# KiCad board Slab.kicad_pcb (continued)
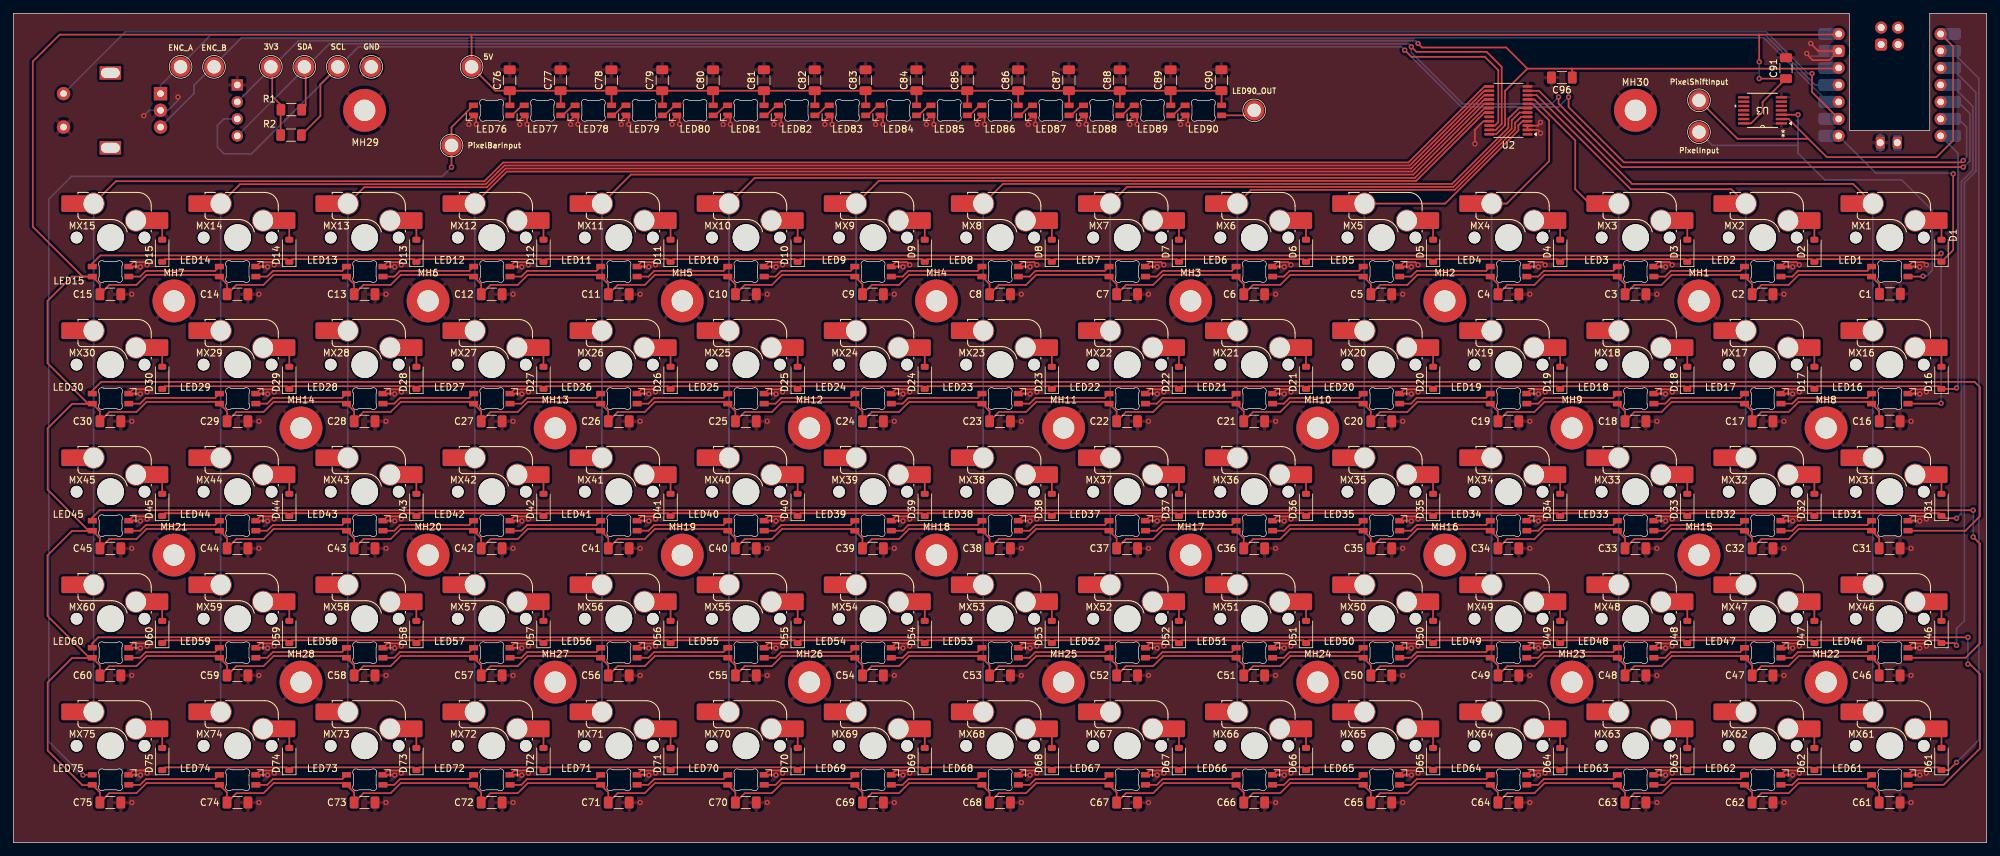
[diagram p0: board, top side]
## Placement (name value [footprint] x y rotation side) (continued)
MX62  MX_SW_HS  [SW_MX_HS_CPG151101S11_1u_Custom]  252 24 0 top
MX63  MX_SW_HS  [SW_MX_HS_CPG151101S11_1u_Custom]  233 24 0 top
MX64  MX_SW_HS  [SW_MX_HS_CPG151101S11_1u_Custom]  214 24 0 top
MX65  MX_SW_HS  [SW_MX_HS_CPG151101S11_1u_Custom]  195 24 0 top
MX66  MX_SW_HS  [SW_MX_HS_CPG151101S11_1u_Custom]  176 24 0 top
MX67  MX_SW_HS  [SW_MX_HS_CPG151101S11_1u_Custom]  157 24 0 top
MX68  MX_SW_HS  [SW_MX_HS_CPG151101S11_1u_Custom]  138 24 0 top
MX69  MX_SW_HS  [SW_MX_HS_CPG151101S11_1u_Custom]  119 24 0 top
MX70  MX_SW_HS  [SW_MX_HS_CPG151101S11_1u_Custom]  100 24 0 top
MX71  MX_SW_HS  [SW_MX_HS_CPG151101S11_1u_Custom]  81 24 0 top
MX72  MX_SW_HS  [SW_MX_HS_CPG151101S11_1u_Custom]  62 24 0 top
MX73  MX_SW_HS  [SW_MX_HS_CPG151101S11_1u_Custom]  43 24 0 top
MX74  MX_SW_HS  [SW_MX_HS_CPG151101S11_1u_Custom]  24 24 0 top
MX75  MX_SW_HS  [SW_MX_HS_CPG151101S11_1u_Custom]  5 24 0 top
PixelBarInput  -  [TestPoint_Plated_Hole_D2.0mm]  65.5 104.25 0 top
PixelInput  -  [TestPoint_Plated_Hole_D2.0mm]  252 106.25 0 top
PixelShiftInput  -  [TestPoint_Plated_Hole_D2.0mm]  252 111 0 top
R1  2.2k  [R_1206_3216Metric_Pad1.30x1.75mm_HandSolder]  41.55 109.6 0 top
R2  2.2k  [R_1206_3216Metric_Pad1.30x1.75mm_HandSolder]  41.5 105.8 0 top
SCL  -  [TestPoint_Plated_Hole_D2.0mm]  48.5 116 0 top
SDA  -  [TestPoint_Plated_Hole_D2.0mm]  43.5 116 0 top
SW1  RotaryEncoder_Switch  [RotaryEncoder_Alps_EC11E-Switch_Vertical_H20mm]  22 112 180 bottom
U1  Seeeduino Xiao rp2040  [Xiao_rp2040_ACH]  280.5 113.3 180 bottom
U2  PCA9555PW  [TSSOP-24_4.4x7.8mm_P0.65mm]  223.5 109.5 180 top
U3  -  [SN74AHCT125PWR]  261.5 109.5 180 top

## Library data of the parts
C1-C91 C96 = -: ki_fp_filters: CP_*
D1-D75 = -: Datasheet: https://www.vishay.com/docs/85748/1n4148w.pdf; Sim.Device: D; Sim.Pins: 1=K 2=A; ki_fp_filters: D*SOD?123*
J1 = -: ki_fp_filters: Connector*:*_1x??_*
MH1-MH30 = -: ki_fp_filters: MountingHole*Pad*
R1 R2 = -: Description: Resistor; ki_fp_filters: R_*
SW1 = -: ki_fp_filters: RotaryEncoder*Switch*
U2 = -: Datasheet: https://www.nxp.com/docs/en/data-sheet/PCA9555.pdf; ki_fp_filters: TSSOP*4.4x7.8mm*P0.65mm*
U3 = -: ki_fp_filters: PW14 PW14-M PW14-L

## Footprints (pads in the part's own frame, mm; a bottom-side part is the same pattern mirrored in y, then rotated)
C_1206_3216Metric_Pad1.33x1.80mm_HandSolder
  rrect 1.325x1.8 smd: 1(-1.562,0) 2(1.562,0)
D_SOD-123
  rrect 0.9x1.2 smd: 1(-1.65,0) 2(1.65,0)
LED_6028R_Custom
  rrect 1.35x0.82 smd: 1(2.725,0.75) 2(2.725,-0.75) 3(-2.725,0.75) 4(-2.725,-0.75)
LED_MX_6028R-ROT_Custom
  rrect 1.35x0.82 smd: 1(6.8,-15.355) 2(6.8,-13.855) 3(12.25,-15.355) 4(12.25,-13.855)
MountingHole_3.2mm_M3_Pad
  round 6.4 hole 3.2: 1(0,0)
PinSocket_1x04_P2.54mm_Vertical
  rect 1.7x1.7 hole 1: 1(0,0)
  oval 1.7x1.7 hole 1: 2(0,-2.54) 3(0,-5.08) 4(0,-7.62)
R_1206_3216Metric_Pad1.30x1.75mm_HandSolder
  rrect 1.3x1.75 smd: 1(-1.55,0) 2(1.55,0)
RotaryEncoder_Alps_EC11E-Switch_Vertical_H20mm
  rect 2x2 hole 1: A(0,0)
  round 2 hole 1: B(0,-5) C(0,-2.5) S1(14.5,-5) S2(14.5,0)
  rect 3.2x2 hole 2.8x1.5: MP(7.5,-8.1) MP(7.5,3.1)
SN74AHCT125PWR
  rect 1.676x0.356 smd: 1(-2.819,1.95) 2(-2.819,1.3) 3(-2.819,0.65) 4(-2.819,0) 5(-2.819,-0.65) 6(-2.819,-1.3) 7(-2.819,-1.95) 8(2.819,-1.95) 9(2.819,-1.3) 10(2.819,-0.65) 11(2.819,0) 12(2.819,0.65) 13(2.819,1.3) 14(2.819,1.95)
SW_MX_HS_CPG151101S11_1u_Custom
  round 1.75 hole 1.75 unplated: (4.445,-9.525) (14.605,-9.525)
  round 3.988 hole 3.988 unplated: (9.525,-9.525)
  round 3.3 hole 3: 1(13.335,-6.985) 2(6.985,-4.445)
  rect 1.65x2.5 smd: 1(15.16,-6.985) 2(5.185,-4.445)
  rrect 2.55x2.5 smd: 1(16.885,-6.985) 2(3.435,-4.445)
TestPoint_Plated_Hole_D2.0mm
  round 3 hole 2: 1(0,0)
TSSOP-24_4.4x7.8mm_P0.65mm
  rrect 1.475x0.4 smd: 1(-2.862,3.575) 2(-2.862,2.925) 3(-2.862,2.275) 4(-2.862,1.625) 5(-2.862,0.975) 6(-2.862,0.325) 7(-2.862,-0.325) 8(-2.862,-0.975) 9(-2.862,-1.625) 10(-2.862,-2.275) 11(-2.862,-2.925) 12(-2.862,-3.575) 13(2.862,-3.575) 14(2.862,-2.925) 15(2.862,-2.275) 16(2.862,-1.625) 17(2.862,-0.975) 18(2.862,-0.325) 19(2.862,0.325) 20(2.862,0.975) 21(2.862,1.625) 22(2.862,2.275) 23(2.862,2.925) 24(2.862,3.575)
Xiao_rp2040_ACH
  rrect 3.5x1.8 smd: 1(-8.92,7.62) 2(-8.92,5.08) 3(-8.92,2.54) 4(-8.92,0) 5(-8.92,-2.54) 6(-8.92,-5.08) 7(-8.92,-7.62) 8(8.92,7.62) 9(8.92,5.08) 10(8.92,2.54) 11(8.92,0) 12(8.92,-2.54) 13(8.92,-5.08) 14(8.92,-7.62)
  round 1.8 hole 1: 1(-7.62,7.62) 2(-7.62,5.08) 3(-7.62,2.54) 4(-7.62,0) 5(-7.62,-2.54) 6(-7.62,-5.08) 7(-7.62,-7.62) 8(7.62,7.62) 10(7.62,2.54) 11(7.62,0) 12(7.62,-2.54) 13(7.62,-5.08) 14(7.62,-7.62)
  rrect 1.8x1.8 hole 1: 9(7.62,5.08)
  rrect 1.35x1.8 hole 1.05: 17(-1.142,-8.636) 18(1.398,-8.636)
  rrect 1.35x2.5 smd: 17(-1.142,-8.636) 18(1.398,-8.636)
  round 1.8 hole 1.05: 19(-1.27,8.572) 20(1.27,8.572) 21(-1.27,6.032)
  rrect 1.8x1.8 hole 1.05: 22(1.27,6.032)

## Nets
+3V3: 3V3.1 C96.1 J1.2 R1.1 R2.1 U1.10 U2.24
+5V: 5V.1 C1.1 C2.1 C3.1 C4.1 C5.1 C6.1 C7.1 C8.1 C9.1 C10.1 C11.1 C12.1 C13.1 C14.1 C15.1 C16.1 C17.1 C18.1 C19.1 C20.1 C21.1 C22.1 C23.1 C24.1 C25.1 C26.1 C27.1 C28.1 C29.1 C30.1 C31.1 C32.1 C33.1 C34.1 C35.1 C36.1 C37.1 C38.1 C39.1 C40.1 C41.1 C42.1 C43.1 C44.1 C45.1 C46.1 C47.1 C48.1 C49.1 C50.1 C51.1 C52.1 C53.1 C54.1 C55.1 C56.1 C57.1 C58.1 C59.1 C60.1 C61.1 C62.1 C63.1 C64.1 C65.1 C66.1 C67.1 C68.1 C69.1 C70.1 C71.1 C72.1 C73.1 C74.1 C75.1 C76.1 C77.1 C78.1 C79.1 C80.1 C81.1 C82.1 C83.1 C84.1 C85.1 C86.1 C87.1 C88.1 C89.1 C90.1 C91.1 LED1.1 LED2.1 LED3.1 LED4.1 LED5.1 LED6.1 LED7.1 LED8.1 LED9.1 LED10.1 LED11.1 LED12.1 LED13.1 LED14.1 LED15.1 LED16.1 LED17.1 LED18.1 LED19.1 LED20.1 LED21.1 LED22.1 LED23.1 LED24.1 LED25.1 LED26.1 LED27.1 LED28.1 LED29.1 LED30.1 LED31.1 LED32.1 LED33.1 LED34.1 LED35.1 LED36.1 LED37.1 LED38.1 LED39.1 LED40.1 LED41.1 LED42.1 LED43.1 LED44.1 LED45.1 LED46.1 LED47.1 LED48.1 LED49.1 LED50.1 LED51.1 LED52.1 LED53.1 LED54.1 LED55.1 LED56.1 LED57.1 LED58.1 LED59.1 LED60.1 LED61.1 LED62.1 LED63.1 LED64.1 LED65.1 LED66.1 LED67.1 LED68.1 LED69.1 LED70.1 LED71.1 LED72.1 LED73.1 LED74.1 LED75.1 LED76.1 LED77.1 LED78.1 LED79.1 LED80.1 LED81.1 LED82.1 LED83.1 LED84.1 LED85.1 LED86.1 LED87.1 LED88.1 LED89.1 LED90.1 U1.8 U3.14
GND: C1.2 C2.2 C3.2 C4.2 C5.2 C6.2 C7.2 C8.2 C9.2 C10.2 C11.2 C12.2 C13.2 C14.2 C15.2 C16.2 C17.2 C18.2 C19.2 C20.2 C21.2 C22.2 C23.2 C24.2 C25.2 C26.2 C27.2 C28.2 C29.2 C30.2 C31.2 C32.2 C33.2 C34.2 C35.2 C36.2 C37.2 C38.2 C39.2 C40.2 C41.2 C42.2 C43.2 C44.2 C45.2 C46.2 C47.2 C48.2 C49.2 C50.2 C51.2 C52.2 C53.2 C54.2 C55.2 C56.2 C57.2 C58.2 C59.2 C60.2 C61.2 C62.2 C63.2 C64.2 C65.2 C66.2 C67.2 C68.2 C69.2 C70.2 C71.2 C72.2 C73.2 C74.2 C75.2 C76.2 C77.2 C78.2 C79.2 C80.2 C81.2 C82.2 C83.2 C84.2 C85.2 C86.2 C87.2 C88.2 C89.2 C90.2 C91.2 C96.2 GND.1 J1.1 LED1.4 LED2.4 LED3.4 LED4.4 LED5.4 LED6.4 LED7.4 LED8.4 LED9.4 LED10.4 LED11.4 LED12.4 LED13.4 LED14.4 LED15.4 LED16.4 LED17.4 LED18.4 LED19.4 LED20.4 LED21.4 LED22.4 LED23.4 LED24.4 LED25.4 LED26.4 LED27.4 LED28.4 LED29.4 LED30.4 LED31.4 LED32.4 LED33.4 LED34.4 LED35.4 LED36.4 LED37.4 LED38.4 LED39.4 LED40.4 LED41.4 LED42.4 LED43.4 LED44.4 LED45.4 LED46.4 LED47.4 LED48.4 LED49.4 LED50.4 LED51.4 LED52.4 LED53.4 LED54.4 LED55.4 LED56.4 LED57.4 LED58.4 LED59.4 LED60.4 LED61.4 LED62.4 LED63.4 LED64.4 LED65.4 LED66.4 LED67.4 LED68.4 LED69.4 LED70.4 LED71.4 LED72.4 LED73.4 LED74.4 LED75.4 LED76.4 LED77.4 LED78.4 LED79.4 LED80.4 LED81.4 LED82.4 LED83.4 LED84.4 LED85.4 LED86.4 LED87.4 LED88.4 LED89.4 LED90.4 MH1.1 MH2.1 MH3.1 MH4.1 MH5.1 MH6.1 MH7.1 MH8.1 MH9.1 MH10.1 MH11.1 MH12.1 MH13.1 MH14.1 MH15.1 MH16.1 MH17.1 MH18.1 MH19.1 MH20.1 MH21.1 MH22.1 MH23.1 MH24.1 MH25.1 MH26.1 MH27.1 MH28.1 MH29.1 MH30.1 SW1.C SW1.S1 U1.9 U1.18 U2.2 U2.3 U2.12 U2.21 U3.1 U3.7
/Column1: MX1.2 MX16.2 MX31.2 MX46.2 MX61.2 U2.11
/Column2: MX2.2 MX17.2 MX32.2 MX47.2 MX62.2 U2.10
/Column3: MX3.2 MX18.2 MX33.2 MX48.2 MX63.2 U2.9
/Column4: MX4.2 MX19.2 MX34.2 MX49.2 MX64.2 U2.8
/Column5: MX5.2 MX20.2 MX35.2 MX50.2 MX65.2 U2.4
/Column6: MX6.2 MX21.2 MX36.2 MX51.2 MX66.2 U2.5
/Column7: MX7.2 MX22.2 MX37.2 MX52.2 MX67.2 U2.6
/Column8: MX8.2 MX23.2 MX38.2 MX53.2 MX68.2 U2.7
/Column9: MX9.2 MX24.2 MX39.2 MX54.2 MX69.2 U2.19
/Column10: MX10.2 MX25.2 MX40.2 MX55.2 MX70.2 U2.18
/Column11: MX11.2 MX26.2 MX41.2 MX56.2 MX71.2 U2.17
/Column12: MX12.2 MX27.2 MX42.2 MX57.2 MX72.2 U2.16
/Column13: MX13.2 MX28.2 MX43.2 MX58.2 MX73.2 U2.15
/Column14: MX14.2 MX29.2 MX44.2 MX59.2 MX74.2 U2.14
/Column15: MX15.2 MX30.2 MX45.2 MX60.2 MX75.2 U2.13
/EncoderA: ENC_A.1 SW1.A U1.11
/EncoderB: ENC_B.1 SW1.B U1.12
/EncoderSwitchOutput: SW1.S2 U1.13
/I2C_1.SCL: J1.3 R2.2 SCL.1 U1.6 U2.22
/I2C_1.SDA: J1.4 R1.2 SDA.1 U1.5 U2.23
/PixelBarInput: LED75.2 LED76.3 PixelBarInput.1
/PixelInput: LED1.3 PixelInput.1 U3.3
/PixelShiftInput: PixelShiftInput.1 U1.1 U3.2
/Row1: D1.1 D2.1 D3.1 D4.1 D5.1 D6.1 D7.1 D8.1 D9.1 D10.1 D11.1 D12.1 D13.1 D14.1 D15.1 U1.14
/Row2: D16.1 D17.1 D18.1 D19.1 D20.1 D21.1 D22.1 D23.1 D24.1 D25.1 D26.1 D27.1 D28.1 D29.1 D30.1 U1.7
/Row3: D31.1 D32.1 D33.1 D34.1 D35.1 D36.1 D37.1 D38.1 D39.1 D40.1 D41.1 D42.1 D43.1 D44.1 D45.1 U1.4
/Row4: D46.1 D47.1 D48.1 D49.1 D50.1 D51.1 D52.1 D53.1 D54.1 D55.1 D56.1 D57.1 D58.1 D59.1 D60.1 U1.3
/Row5: D61.1 D62.1 D63.1 D64.1 D65.1 D66.1 D67.1 D68.1 D69.1 D70.1 D71.1 D72.1 D73.1 D74.1 D75.1 U1.2
Net-(D1-A): D1.2 MX1.1
Net-(D2-A): D2.2 MX2.1
Net-(D3-A): D3.2 MX3.1
Net-(D4-A): D4.2 MX4.1
Net-(D5-A): D5.2 MX5.1
Net-(D6-A): D6.2 MX6.1
Net-(D7-A): D7.2 MX7.1
Net-(D8-A): D8.2 MX8.1
Net-(D9-A): D9.2 MX9.1
Net-(D10-A): D10.2 MX10.1
Net-(D11-A): D11.2 MX11.1
Net-(D12-A): D12.2 MX12.1
Net-(D13-A): D13.2 MX13.1
Net-(D14-A): D14.2 MX14.1
Net-(D15-A): D15.2 MX15.1
Net-(D16-A): D16.2 MX16.1
Net-(D17-A): D17.2 MX17.1
Net-(D18-A): D18.2 MX18.1
Net-(D19-A): D19.2 MX19.1
Net-(D20-A): D20.2 MX20.1
Net-(D21-A): D21.2 MX21.1
Net-(D22-A): D22.2 MX22.1
Net-(D23-A): D23.2 MX23.1
Net-(D24-A): D24.2 MX24.1
Net-(D25-A): D25.2 MX25.1
Net-(D26-A): D26.2 MX26.1
Net-(D27-A): D27.2 MX27.1
Net-(D28-A): D28.2 MX28.1
Net-(D29-A): D29.2 MX29.1
Net-(D30-A): D30.2 MX30.1
Net-(D31-A): D31.2 MX31.1
Net-(D32-A): D32.2 MX32.1
Net-(D33-A): D33.2 MX33.1
Net-(D34-A): D34.2 MX34.1
Net-(D35-A): D35.2 MX35.1
Net-(D36-A): D36.2 MX36.1
Net-(D37-A): D37.2 MX37.1
Net-(D38-A): D38.2 MX38.1
Net-(D39-A): D39.2 MX39.1
Net-(D40-A): D40.2 MX40.1
Net-(D41-A): D41.2 MX41.1
Net-(D42-A): D42.2 MX42.1
Net-(D43-A): D43.2 MX43.1
Net-(D44-A): D44.2 MX44.1
Net-(D45-A): D45.2 MX45.1
Net-(D46-A): D46.2 MX46.1
Net-(D47-A): D47.2 MX47.1
Net-(D48-A): D48.2 MX48.1
Net-(D49-A): D49.2 MX49.1
Net-(D50-A): D50.2 MX50.1
Net-(D51-A): D51.2 MX51.1
Net-(D52-A): D52.2 MX52.1
Net-(D53-A): D53.2 MX53.1
Net-(D54-A): D54.2 MX54.1
Net-(D55-A): D55.2 MX55.1
Net-(D56-A): D56.2 MX56.1
Net-(D57-A): D57.2 MX57.1
Net-(D58-A): D58.2 MX58.1
Net-(D59-A): D59.2 MX59.1
Net-(D60-A): D60.2 MX60.1
Net-(D61-A): D61.2 MX61.1
Net-(D62-A): D62.2 MX62.1
Net-(D63-A): D63.2 MX63.1
Net-(D64-A): D64.2 MX64.1
Net-(D65-A): D65.2 MX65.1
Net-(D66-A): D66.2 MX66.1
Net-(D67-A): D67.2 MX67.1
Net-(D68-A): D68.2 MX68.1
Net-(D69-A): D69.2 MX69.1
Net-(D70-A): D70.2 MX70.1
Net-(D71-A): D71.2 MX71.1
Net-(D72-A): D72.2 MX72.1
Net-(D73-A): D73.2 MX73.1
Net-(D74-A): D74.2 MX74.1
Net-(D75-A): D75.2 MX75.1
Net-(LED1-DOUT): LED1.2 LED2.3
Net-(LED2-DOUT): LED2.2 LED3.3
Net-(LED3-DOUT): LED3.2 LED4.3
Net-(LED4-DOUT): LED4.2 LED5.3
Net-(LED5-DOUT): LED5.2 LED6.3
Net-(LED6-DOUT): LED6.2 LED7.3
Net-(LED7-DOUT): LED7.2 LED8.3
Net-(LED8-DOUT): LED8.2 LED9.3
Net-(LED10-DIN): LED9.2 LED10.3
Net-(LED10-DOUT): LED10.2 LED11.3
Net-(LED11-DOUT): LED11.2 LED12.3
Net-(LED12-DOUT): LED12.2 LED13.3
Net-(LED13-DOUT): LED13.2 LED14.3
Net-(LED14-DOUT): LED14.2 LED15.3
Net-(LED15-DOUT): LED15.2 LED16.3
Net-(LED16-DOUT): LED16.2 LED17.3
Net-(LED17-DOUT): LED17.2 LED18.3
Net-(LED18-DOUT): LED18.2 LED19.3
Net-(LED19-DOUT): LED19.2 LED20.3
Net-(LED20-DOUT): LED20.2 LED21.3
Net-(LED21-DOUT): LED21.2 LED22.3
Net-(LED22-DOUT): LED22.2 LED23.3
Net-(LED23-DOUT): LED23.2 LED24.3
Net-(LED24-DOUT): LED24.2 LED25.3
Net-(LED25-DOUT): LED25.2 LED26.3
Net-(LED26-DOUT): LED26.2 LED27.3
Net-(LED27-DOUT): LED27.2 LED28.3
Net-(LED28-DOUT): LED28.2 LED29.3
Net-(LED29-DOUT): LED29.2 LED30.3
Net-(LED30-DOUT): LED30.2 LED31.3
Net-(LED31-DOUT): LED31.2 LED32.3
Net-(LED32-DOUT): LED32.2 LED33.3
Net-(LED33-DOUT): LED33.2 LED34.3
Net-(LED34-DOUT): LED34.2 LED35.3
Net-(LED35-DOUT): LED35.2 LED36.3
Net-(LED36-DOUT): LED36.2 LED37.3
Net-(LED37-DOUT): LED37.2 LED38.3
Net-(LED38-DOUT): LED38.2 LED39.3
Net-(LED39-DOUT): LED39.2 LED40.3
Net-(LED40-DOUT): LED40.2 LED41.3
Net-(LED41-DOUT): LED41.2 LED42.3
Net-(LED42-DOUT): LED42.2 LED43.3
Net-(LED43-DOUT): LED43.2 LED44.3
Net-(LED44-DOUT): LED44.2 LED45.3
Net-(LED45-DOUT): LED45.2 LED46.3
Net-(LED46-DOUT): LED46.2 LED47.3
Net-(LED47-DOUT): LED47.2 LED48.3
Net-(LED48-DOUT): LED48.2 LED49.3
Net-(LED49-DOUT): LED49.2 LED50.3
Net-(LED50-DOUT): LED50.2 LED51.3
Net-(LED51-DOUT): LED51.2 LED52.3
Net-(LED52-DOUT): LED52.2 LED53.3
Net-(LED53-DOUT): LED53.2 LED54.3
Net-(LED54-DOUT): LED54.2 LED55.3
Net-(LED55-DOUT): LED55.2 LED56.3
Net-(LED56-DOUT): LED56.2 LED57.3
Net-(LED57-DOUT): LED57.2 LED58.3
Net-(LED58-DOUT): LED58.2 LED59.3
Net-(LED59-DOUT): LED59.2 LED60.3
Net-(LED60-DOUT): LED60.2 LED61.3
Net-(LED61-DOUT): LED61.2 LED62.3
Net-(LED62-DOUT): LED62.2 LED63.3
Net-(LED63-DOUT): LED63.2 LED64.3
Net-(LED64-DOUT): LED64.2 LED65.3
Net-(LED65-DOUT): LED65.2 LED66.3
Net-(LED66-DOUT): LED66.2 LED67.3
Net-(LED67-DOUT): LED67.2 LED68.3
Net-(LED68-DOUT): LED68.2 LED69.3
Net-(LED69-DOUT): LED69.2 LED70.3
Net-(LED70-DOUT): LED70.2 LED71.3
Net-(LED71-DOUT): LED71.2 LED72.3
Net-(LED72-DOUT): LED72.2 LED73.3
Net-(LED73-DOUT): LED73.2 LED74.3
Net-(LED74-DOUT): LED74.2 LED75.3
Net-(LED76-DOUT): LED76.2 LED77.3
Net-(LED77-DOUT): LED77.2 LED78.3
Net-(LED78-DOUT): LED78.2 LED79.3
Net-(LED79-DOUT): LED79.2 LED80.3
Net-(LED80-DOUT): LED80.2 LED81.3
Net-(LED81-DOUT): LED81.2 LED82.3
Net-(LED82-DOUT): LED82.2 LED83.3
Net-(LED83-DOUT): LED83.2 LED84.3
Net-(LED84-DOUT): LED84.2 LED85.3
Net-(LED85-DOUT): LED85.2 LED86.3
Net-(LED86-DOUT): LED86.2 LED87.3
Net-(LED87-DOUT): LED87.2 LED88.3
Net-(LED88-DOUT): LED88.2 LED89.3
Net-(LED89-DOUT): LED89.2 LED90.3

Pads without a net: LED90 2; LED90_OUT 1; SW1 MP; U1 17 19 20 21 22; U2 1 20; U3 4 5 6 8 9 10 11 12 13

## Via types
v1: diameter 0.8, hole 0.4, Top to Bottom, 286 vias

## Routing (per net, layer and track width the routed paths; a pad name or vN(x,y) marks a point on that pad's centre or on a via; arc(x,y) is an arc through that point)
+3V3: length 269.8
  Top w0.25: 232.9,115.74 226.34,115.74 ; 232.9,115.74 233.06,115.58 C96.1 ; 232.9,115.74 272.88,115.74 ; 226.34,115.74 223,112.4 223,107.25 221.68,105.92 U2.24 ; 226.34,115.74 223.18,118.9 210.6,118.9 v1(210,119.5) ; 38.75,116 38.7,115.95 38.7,111.6 39.95,110.35 R2.1
  Bottom w0.25: J1.2 42.62,119.9 209.6,119.9 v1(210,119.5)
+5V: length 2162.6
  Top w0.25: C16.1 278.94,64.51 LED16.1 277.55,65.9 266.9,65.9 265.4,64.4 261.34,64.4 C17.1 259.94,64.51 LED17.1 258.54,65.9 247.9,65.9 246.4,64.4 242.34,64.4 C18.1 240.94,64.51 LED18.1 239.54,65.9 228.9,65.9 227.4,64.4 223.34,64.4 C19.1 221.94,64.51 LED19.1 220.54,65.9 209.9,65.9 208.4,64.4 204.34,64.4 C20.1 202.94,64.51 LED20.1 201.54,65.9 190.9,65.9 189.4,64.4 185.34,64.4 C21.1 183.94,64.51 LED21.1 182.54,65.9 171.9,65.9 170.4,64.4 166.34,64.4 C22.1 164.94,64.51 LED22.1 163.54,65.9 152.9,65.9 151.4,64.4 147.34,64.4 C23.1 145.94,64.51 LED23.1 144.54,65.9 133.9,65.9 132.4,64.4 128.34,64.4 C24.1 126.94,64.51 LED24.1 125.55,65.9 114.9,65.9 113.4,64.4 109.34,64.4 C25.1 107.94,64.51 LED25.1 106.55,65.9 95.9,65.9 94.4,64.4 90.34,64.4 C26.1 88.94,64.51 LED26.1 87.55,65.9 76.9,65.9 75.4,64.4 71.34,64.4 C27.1 69.94,64.51 LED27.1 68.55,65.9 57.9,65.9 56.4,64.4 52.34,64.4 C28.1 50.94,64.51 LED28.1 49.55,65.9 38.9,65.9 37.4,64.4 33.34,64.4 C29.1 31.94,64.51 LED29.1 30.55,65.9 19.9,65.9 18.4,64.4 14.34,64.4 C30.1 12.94,64.51 LED30.1 11.16,65.64 5.1,71.7 5.1,81 8.75,84.65 LED15.1 ; 11.83,46.6 11.3,46.6 5.13,52.77 5.13,61.95 8.77,65.6 11.83,65.6 ; U3.14 259.77,107.55 261.5,109.28 261.5,110.74 C91.1 261.01,114.24 v1(261,114.25) ; LED89.1 173.03,112.41 ; C77.1 C78.1 C79.1 C80.1 C81.1 C82.1 C83.1 C84.1 C85.1 C86.1 C87.1 C88.1 C89.1 C90.1 ; C77.1 81.83,112.41 LED77.1 ; C77.1 C76.1 ; 11.8,27.6 11.4,27.6 5.1,33.9 5.1,42.95 8.75,46.6 11.8,46.6 ; LED88.1 165.43,112.41 ; 278.95,82 278.95,83.5 277.81,84.64 ; LED87.1 157.82,112.41 ; LED79.1 97.03,112.41 ; C31.1 278.94,45.51 LED31.1 277.55,46.9 266.9,46.9 265.4,45.4 261.34,45.4 C32.1 259.94,45.51 LED32.1 258.54,46.9 247.9,46.9 246.4,45.4 242.34,45.4 C33.1 240.94,45.51 LED33.1 239.54,46.9 228.9,46.9 227.4,45.4 223.34,45.4 C34.1 221.94,45.51 LED34.1 220.54,46.9 209.9,46.9 208.4,45.4 204.34,45.4 C35.1 202.94,45.51 LED35.1 201.54,46.9 190.9,46.9 189.4,45.4 185.34,45.4 C36.1 183.94,45.51 LED36.1 182.54,46.9 171.9,46.9 170.4,45.4 166.34,45.4 C37.1 164.94,45.51 LED37.1 163.54,46.9 152.9,46.9 151.4,45.4 147.34,45.4 C38.1 145.94,45.51 LED38.1 144.54,46.9 133.9,46.9 132.4,45.4 128.34,45.4 C39.1 126.94,45.51 LED39.1 125.55,46.9 114.9,46.9 113.4,45.4 109.34,45.4 C40.1 107.94,45.51 LED40.1 106.55,46.9 95.9,46.9 94.4,45.4 90.34,45.4 C41.1 88.94,45.51 LED41.1 87.55,46.9 76.9,46.9 75.4,45.4 71.34,45.4 C42.1 69.94,45.51 LED42.1 68.55,46.9 57.9,46.9 56.4,45.4 52.34,45.4 C43.1 50.94,45.51 LED43.1 49.55,46.9 38.9,46.9 37.4,45.4 33.34,45.4 C44.1 31.94,45.51 LED44.1 30.55,46.9 19.9,46.9 18.4,45.4 14.34,45.4 C45.1 12.94,45.51 LED45.1 ; 11.83,27.6 8.77,27.6 5.13,23.95 5.13,13.77 10.3,8.6 11.83,8.6 ; C61.1 278.94,7.51 LED61.1 277.55,8.9 266.9,8.9 265.4,7.4 261.34,7.4 C62.1 259.94,7.51 LED62.1 258.54,8.9 247.9,8.9 246.4,7.4 242.34,7.4 C63.1 240.94,7.51 LED63.1 239.54,8.9 228.9,8.9 227.4,7.4 223.34,7.4 C64.1 221.94,7.51 LED64.1 220.54,8.9 209.9,8.9 208.4,7.4 204.34,7.4 C65.1 202.94,7.51 LED65.1 201.54,8.9 190.9,8.9 189.4,7.4 185.34,7.4 C66.1 183.94,7.51 LED66.1 182.54,8.9 171.9,8.9 170.4,7.4 166.34,7.4 C67.1 164.94,7.51 LED67.1 163.54,8.9 152.9,8.9 151.4,7.4 147.34,7.4 C68.1 145.94,7.51 LED68.1 144.54,8.9 133.9,8.9 132.4,7.4 128.34,7.4 C69.1 126.94,7.51 LED69.1 125.55,8.9 114.9,8.9 113.4,7.4 109.34,7.4 C70.1 107.94,7.51 LED70.1 106.55,8.9 95.9,8.9 94.4,7.4 90.34,7.4 C71.1 88.94,7.51 LED71.1 87.55,8.9 76.9,8.9 75.4,7.4 71.34,7.4 C72.1 69.94,7.51 LED72.1 68.55,8.9 57.9,8.9 56.4,7.4 52.34,7.4 C73.1 50.94,7.51 LED73.1 49.55,8.9 38.9,8.9 37.4,7.4 33.34,7.4 C74.1 31.94,7.51 LED74.1 30.55,8.9 19.9,8.9 18.4,7.4 14.34,7.4 C75.1 12.94,7.51 LED75.1 ; LED76.1 74.2,110.28 C76.1 ; LED85.1 142.62,112.41 ; C76.1 72.06,112.44 5V.1 68.5,120.82 ; LED78.1 89.42,112.41 ; 261,120.82 68.5,120.82 ; 261,120.82 272.88,120.82 ; 261,120.82 v1(261,116.75) ; C46.1 278.94,26.51 LED46.1 277.55,27.9 266.9,27.9 265.4,26.4 261.34,26.4 C47.1 259.94,26.51 LED47.1 258.54,27.9 247.9,27.9 246.4,26.4 242.34,26.4 C48.1 240.94,26.51 LED48.1 239.54,27.9 228.9,27.9 227.4,26.4 223.34,26.4 C49.1 221.94,26.51 LED49.1 220.54,27.9 209.9,27.9 208.4,26.4 204.34,26.4 C50.1 202.94,26.51 LED50.1 201.54,27.9 190.9,27.9 189.4,26.4 185.34,26.4 C51.1 183.94,26.51 LED51.1 182.54,27.9 171.9,27.9 170.4,26.4 166.34,26.4 C52.1 164.94,26.51 LED52.1 163.54,27.9 152.9,27.9 151.4,26.4 147.34,26.4 C53.1 145.94,26.51 LED53.1 144.54,27.9 133.9,27.9 132.4,26.4 128.34,26.4 C54.1 126.94,26.51 LED54.1 125.55,27.9 114.9,27.9 113.4,26.4 109.34,26.4 C55.1 107.94,26.51 LED55.1 106.55,27.9 95.9,27.9 94.4,26.4 90.34,26.4 C56.1 88.94,26.51 LED56.1 87.55,27.9 76.9,27.9 75.4,26.4 71.34,26.4 C57.1 69.94,26.51 LED57.1 68.55,27.9 57.9,27.9 56.4,26.4 52.34,26.4 C58.1 50.94,26.51 LED58.1 49.55,27.9 38.9,27.9 37.4,26.4 33.34,26.4 C59.1 31.94,26.51 LED59.1 30.55,27.9 19.9,27.9 18.4,26.4 14.34,26.4 C60.1 12.94,26.51 LED60.1 ; LED80.1 104.62,112.41 ; LED15.1 10.36,84.65 2.9,92.1 2.9,116.8 6.92,120.82 68.5,120.82 ; LED15.1 12.94,83.51 C15.1 14.34,83.4 18.4,83.4 19.9,84.9 30.55,84.9 LED14.1 31.94,83.51 C14.1 33.34,83.4 37.4,83.4 38.9,84.9 49.55,84.9 LED13.1 50.94,83.51 C13.1 52.34,83.4 56.4,83.4 57.9,84.9 68.55,84.9 LED12.1 69.94,83.51 C12.1 71.34,83.4 75.4,83.4 76.9,84.9 87.55,84.9 LED11.1 88.94,83.51 C11.1 90.34,83.4 94.4,83.4 95.9,84.9 106.55,84.9 LED10.1 107.94,83.51 C10.1 109.34,83.4 113.4,83.4 114.9,84.9 125.55,84.9 LED9.1 126.94,83.51 C9.1 128.34,83.4 132.4,83.4 133.9,84.9 144.54,84.9 LED8.1 145.94,83.51 C8.1 147.34,83.4 151.4,83.4 152.9,84.9 163.54,84.9 LED7.1 164.94,83.51 C7.1 166.34,83.4 170.4,83.4 171.9,84.9 182.54,84.9 LED6.1 183.94,83.51 C6.1 185.34,83.4 189.4,83.4 190.9,84.9 201.54,84.9 LED5.1 202.94,83.51 C5.1 204.34,83.4 208.4,83.4 209.9,84.9 220.54,84.9 LED4.1 221.94,83.51 C4.1 223.34,83.4 227.4,83.4 228.9,84.9 239.54,84.9 LED3.1 240.94,83.51 C3.1 242.34,83.4 246.4,83.4 247.9,84.9 258.54,84.9 LED2.1 259.94,83.51 C2.1 261.34,83.4 265.4,83.4 266.9,84.9 277.55,84.9 LED1.1 277.84,84.61 ; LED82.1 119.83,112.41 ; LED84.1 135.03,112.41 ; LED81.1 112.22,112.41 ; LED86.1 150.22,112.41 ; LED90.1 180.62,112.41 ; LED83.1 127.42,112.41
  Bottom w0.25: v1(261,114.25) v1(261,116.75)
GND: length 450.2
  Top w0.25: 265.95,86.15 LED2.4 264.9,86.8 266.6,86.8 v1(267,86.4) ; v1(153,29.4) 152.6,29.8 150.91,29.8 LED53.4 151.96,29.14 ; 227.96,67.14 LED19.4 226.91,67.8 228.6,67.8 v1(229,67.4) ; v1(77,10.4) 76.6,10.8 74.91,10.8 LED72.4 75.95,10.14 ; v1(58,48.4) 57.6,48.8 55.91,48.8 LED43.4 56.95,48.14 ; 56.95,67.14 LED28.4 55.91,67.8 57.6,67.8 v1(58,67.4) ; v1(134,48.4) 133.6,48.8 131.91,48.8 LED39.4 132.95,48.14 ; 18.95,10.14 LED75.4 17.91,10.8 19.6,10.8 v1(20,10.4) ; 170.96,29.14 LED52.4 169.91,29.8 171.6,29.8 v1(172,29.4) ; 75.95,67.14 LED27.4 74.91,67.8 76.6,67.8 v1(77,67.4) ; 132.95,67.14 LED24.4 131.91,67.8 133.6,67.8 v1(134,67.4) ; v1(115,10.4) 114.6,10.8 112.91,10.8 LED70.4 113.95,10.14 ; v1(77,29.4) 76.6,29.8 74.91,29.8 LED57.4 75.95,29.14 ; 268.1,117.9 269,117 271.5,117 U1.9 269.82,118.38 v1(268.7,119.5) ; 268.1,117.9 v1(268.1,118) 268,118 268.1,117.9 ; v1(96,67.4) 95.6,67.8 93.91,67.8 LED26.4 94.95,67.14 ; 227.96,48.14 LED34.4 226.91,48.8 228.6,48.8 v1(229,48.4) ; v1(96,86.4) 95.6,86.8 93.91,86.8 LED11.4 94.95,86.15 ; 132.95,86.15 LED9.4 131.91,86.8 133.6,86.8 v1(134,86.4) ; v1(191,67.4) 190.6,67.8 188.91,67.8 LED21.4 189.96,67.14 ; 208.96,10.14 LED65.4 207.91,10.8 209.6,10.8 v1(210,10.4) ; v1(172,86.4) 171.6,86.8 169.91,86.8 LED7.4 170.96,86.15 ; 113.95,48.14 LED40.4 112.91,48.8 114.6,48.8 v1(115,48.4) ; v1(267,48.4) 266.6,48.8 264.9,48.8 LED32.4 265.95,48.14 ; v1(210,29.4) 209.6,29.8 207.91,29.8 LED50.4 208.96,29.14 ; 227.96,86.15 LED4.4 226.91,86.8 228.6,86.8 v1(229,86.4) ; 151.96,86.15 LED8.4 150.91,86.8 152.6,86.8 v1(153,86.4) ; 284.95,67.14 LED16.4 283.9,67.8 285.6,67.8 v1(286,67.4) ; v1(248,29.4) 247.6,29.8 245.91,29.8 LED48.4 246.96,29.14 ; v1(107.2,107.4) 107.2,108.33 LED81.4 106.1,108.08 v1(106.1,107.4) ; v1(20,29.4) 19.6,29.8 17.91,29.8 LED60.4 18.95,29.14 ; 246.96,10.14 LED63.4 245.91,10.8 247.6,10.8 v1(248,10.4) ; v1(39,29.4) 38.6,29.8 36.91,29.8 LED59.4 37.95,29.14 ; v1(19,86.1) 18.95,86.15 LED15.4 17.91,86.8 19.6,86.8 v1(20,86.4) ; v1(98.5,107.4) 98.5,108.08 LED80.4 99.6,108.33 v1(99.6,107.4) ; v1(134,10.4) 133.6,10.8 131.91,10.8 LED69.4 132.95,10.14 ; v1(39,10.4) 38.6,10.8 36.91,10.8 LED74.4 37.95,10.14 ; 56.95,29.14 LED58.4 55.91,29.8 57.6,29.8 v1(58,29.4) ; v1(96,29.4) 95.6,29.8 93.91,29.8 LED56.4 94.95,29.14 ; 228.3,106.2 228.4,106.1 v1(228.3,106.1) 228.3,106.2 ; 228.3,106.2 227.93,106.58 U2.2 U2.3 ; 284.95,48.14 LED31.4 283.9,48.8 285.6,48.8 v1(286,48.4) ; 132.95,29.14 LED54.4 131.91,29.8 133.6,29.8 v1(134,29.4) ; v1(267,10.4) 266.6,10.8 264.9,10.8 LED62.4 265.95,10.14 ; 75.95,86.15 LED12.4 74.91,86.8 76.6,86.8 v1(77,86.4) ; 284.95,10.14 LED61.4 283.9,10.8 285.6,10.8 v1(286,10.4) ; v1(137.6,107.4) 137.6,108.33 LED85.4 136.5,108.08 v1(136.5,107.4) ; v1(115,67.4) 114.6,67.8 112.91,67.8 LED25.4 113.95,67.14 ; v1(248,86.4) 247.6,86.8 245.91,86.8 LED3.4 246.96,86.15 ; v1(69.2,107.4) 69.2,108.33 LED76.4 68.1,108.08 v1(68.1,107.4) ; v1(114.8,107.4) 114.8,108.33 LED82.4 113.7,108.08 v1(113.7,107.4) ; v1(153,10.4) 152.6,10.8 150.91,10.8 LED68.4 151.96,10.14 ; 94.95,10.14 LED71.4 93.91,10.8 95.6,10.8 v1(96,10.4) ; 94.95,48.14 LED41.4 93.91,48.8 95.6,48.8 v1(96,48.4) ; 170.96,10.14 LED67.4 169.91,10.8 171.6,10.8 v1(172,10.4) ; 226.34,107.2 227.9,107.2 228.3,107.6 v1(228.3,107.7) 228.4,107.7 228.28,107.58 ; 75.95,48.14 LED42.4 74.91,48.8 76.6,48.8 v1(77,48.4) ; 113.95,86.15 LED10.4 112.91,86.8 114.6,86.8 v1(115,86.4) ; v1(92,107.4) 92,108.33 LED79.4 90.9,108.08 v1(90.9,107.4) ; v1(128.9,107.4) 128.9,108.08 LED84.4 130,108.33 v1(130,107.4) ; 56.95,10.14 LED73.4 55.91,10.8 57.6,10.8 v1(58,10.4) ; 113.95,29.14 LED55.4 112.91,29.8 114.6,29.8 v1(115,29.4) ; v1(218.5,104.5) 218.5,106.6 219.78,107.88 U2.21 ; 208.96,86.15 LED5.4 207.91,86.8 209.6,86.8 v1(210,86.4) ; 265.95,29.14 LED47.4 264.9,29.8 266.6,29.8 v1(267,29.4) ; v1(84.4,107.4) 84.4,108.33 LED78.4 83.3,108.08 v1(83.3,107.4) ; v1(172,67.4) 171.6,67.8 169.91,67.8 LED22.4 170.96,67.14 ; v1(172,48.4) 171.6,48.8 169.91,48.8 LED37.4 170.96,48.14 ; v1(210,48.4) 209.6,48.8 207.91,48.8 LED35.4 208.96,48.14 ; v1(39,67.4) 38.6,67.8 36.91,67.8 LED29.4 37.95,67.14 ; 208.96,67.14 LED20.4 207.91,67.8 209.6,67.8 v1(210,67.4) ; 189.96,48.14 LED36.4 188.91,48.8 190.6,48.8 v1(191,48.4) ; v1(191,10.4) 190.6,10.8 188.91,10.8 LED66.4 189.96,10.14 ; v1(267,67.4) 266.6,67.8 264.9,67.8 LED17.4 265.95,67.14 ; 246.96,67.14 LED18.4 245.91,67.8 247.6,67.8 v1(248,67.4) ; v1(38,86.1) 37.95,86.15 LED14.4 36.91,86.8 38.6,86.8 v1(39,86.4) ; v1(191,86.4) 190.6,86.8 188.91,86.8 LED6.4 189.96,86.15 ; 227.96,29.14 LED49.4 226.91,29.8 228.6,29.8 v1(229,29.4) ; 151.96,48.14 LED38.4 150.91,48.8 152.6,48.8 v1(153,48.4) ; 18.95,67.14 LED30.4 17.91,67.8 19.6,67.8 v1(20,67.4) ; v1(144.1,107.4) 144.1,108.08 LED86.4 145.2,108.33 v1(145.2,107.4) ; v1(168,107.4) 168,108.33 LED89.4 166.9,108.08 v1(166.9,107.4) ; 227.96,10.14 LED64.4 226.91,10.8 228.6,10.8 v1(229,10.4) ; 56.95,86.15 LED13.4 55.91,86.8 57.6,86.8 v1(58,86.4) ; 75.7,107.5 v1(75.7,107.4) 75.7,108.08 LED77.4 76.8,108.33 v1(76.8,107.4) 77,107.6 ; 189.96,29.14 LED51.4 188.91,29.8 190.6,29.8 v1(191,29.4) ; v1(19.5,108.7) 19.6,108.8 ; v1(160.4,107.4) 160.4,108.33 LED88.4 159.3,108.08 v1(159.3,107.4) ; 284.95,29.14 LED46.4 283.9,29.8 285.6,29.8 v1(286,29.4) ; v1(286,86.4) 285.6,86.8 283.9,86.8 LED1.4 284.95,86.15 ; 246.96,48.14 LED33.4 245.91,48.8 247.6,48.8 v1(248,48.4) ; v1(175.6,107.4) 175.6,108.33 LED90.4 174.5,108.08 v1(174.5,107.4) ; v1(153,67.4) 152.6,67.8 150.91,67.8 LED23.4 151.96,67.14 ; 37.95,48.14 LED44.4 36.91,48.8 38.6,48.8 v1(39,48.4) ; v1(151.7,107.4) 151.7,108.08 LED87.4 152.8,108.33 v1(152.8,107.4) ; v1(20,48.4) 19.6,48.8 17.91,48.8 LED45.4 18.95,48.14 ; v1(122.4,107.4) 122.4,108.33 LED83.4 121.3,108.08 v1(121.3,107.4) ; U2.12 226.5,113.08 ; v1(24.6,111.5) 24.6,111.3
  Bottom w0.25: v1(24.6,111.5) 24.6,111 23.1,109.5 SW1.C 20.3,109.5 v1(19.5,108.7) ; v1(268.1,118) 268.5,117.6 270.8,117.6 U1.9 269.82,118.38 v1(268.7,119.5)
  vias: v1(17.7,82) v1(17.7,63) v1(17.7,44) v1(17.7,25) v1(17.7,6) v1(19,67.1) v1(19,48.1) v1(19,29.1) v1(19,10.1) v1(36.7,82) v1(36.7,63) v1(36.7,44) v1(36.7,25) v1(36.7,6) v1(38,67.1) v1(38,48.1) v1(38,29.1) v1(38,10.1) v1(55.7,82) v1(55.7,63) v1(55.7,44) v1(55.7,25) v1(55.7,6) v1(57,86.1) v1(57,67.1) v1(57,48.1) v1(57,29.1) v1(57,10.1) v1(74.7,82) v1(74.7,63) v1(74.7,44) v1(74.7,25) v1(74.7,6) v1(76,86.1) v1(76,67.1) v1(76,48.1) v1(76,29.1) v1(76,10.1) v1(93.7,82) v1(93.7,63) v1(93.7,44) v1(93.7,25) v1(93.7,6) v1(95,86.1) v1(95,67.1) v1(95,48.1) v1(95,29.1) v1(95,10.1) v1(112.7,82) v1(112.7,63) v1(112.7,44) v1(112.7,25) v1(112.7,6) v1(114,86.1) v1(114,67.1) v1(114,48.1) v1(114,29.1) v1(114,10.1) v1(131.7,82) v1(131.7,63) v1(131.7,44) v1(131.7,25) v1(131.7,6) v1(133,86.1) v1(133,67.1) v1(133,48.1) v1(133,29.1) v1(133,10.1) v1(150.7,82) v1(150.7,63) v1(150.7,44) v1(150.7,25) v1(150.7,6) v1(152,86.1) v1(152,67.1) v1(152,48.1) v1(152,29.1) v1(152,10.1) v1(169.7,82) v1(169.7,63) v1(169.7,44) v1(169.7,25) v1(169.7,6) v1(171,86.1) v1(171,67.1) v1(171,48.1) v1(171,29.1) v1(171,10.1) v1(188.7,82) v1(188.7,63) v1(188.7,44) v1(188.7,25) v1(188.7,6) v1(190,86.1) v1(190,67.1) v1(190,48.1) v1(190,29.1) v1(190,10.1) v1(207.7,82) v1(207.7,63) v1(207.7,44) v1(207.7,25) v1(207.7,6) v1(209,86.1) v1(209,67.1) v1(209,48.1) v1(209,29.1) v1(209,10.1) v1(226.7,82) v1(226.7,63) v1(226.7,44) v1(226.7,25) v1(226.7,6) v1(228,86.1) v1(228,67.1) v1(228,48.1) v1(228,29.1) v1(228,10.1) v1(245.7,82) v1(245.7,63) v1(245.7,44) v1(245.7,25) v1(245.7,6) v1(247,86.1) v1(247,67.1) v1(247,48.1) v1(247,29.1) v1(247,10.1) v1(264.7,82) v1(264.7,63) v1(264.7,44) v1(264.7,25) v1(264.7,6) v1(266,86.1) v1(266,67.1) v1(266,48.1) v1(266,29.1) v1(266,10.1) v1(283.7,63) v1(283.7,44) v1(283.7,25) v1(283.7,6) v1(285,86.1) v1(285,67.1) v1(285,48.1) v1(285,29.1) v1(285,10.1)
